# Altium PCB LoraWAN_Node.PcbDoc
Units mil, origin at the board's own origin, x right, y up, seen from the top; angles counter-clockwise.
Board outline 5635.59 x 3186.14 mil, 2 copper layers (Top Layer, Bottom Layer); 89 components, 58 nets, 292 pads, 492 vias.
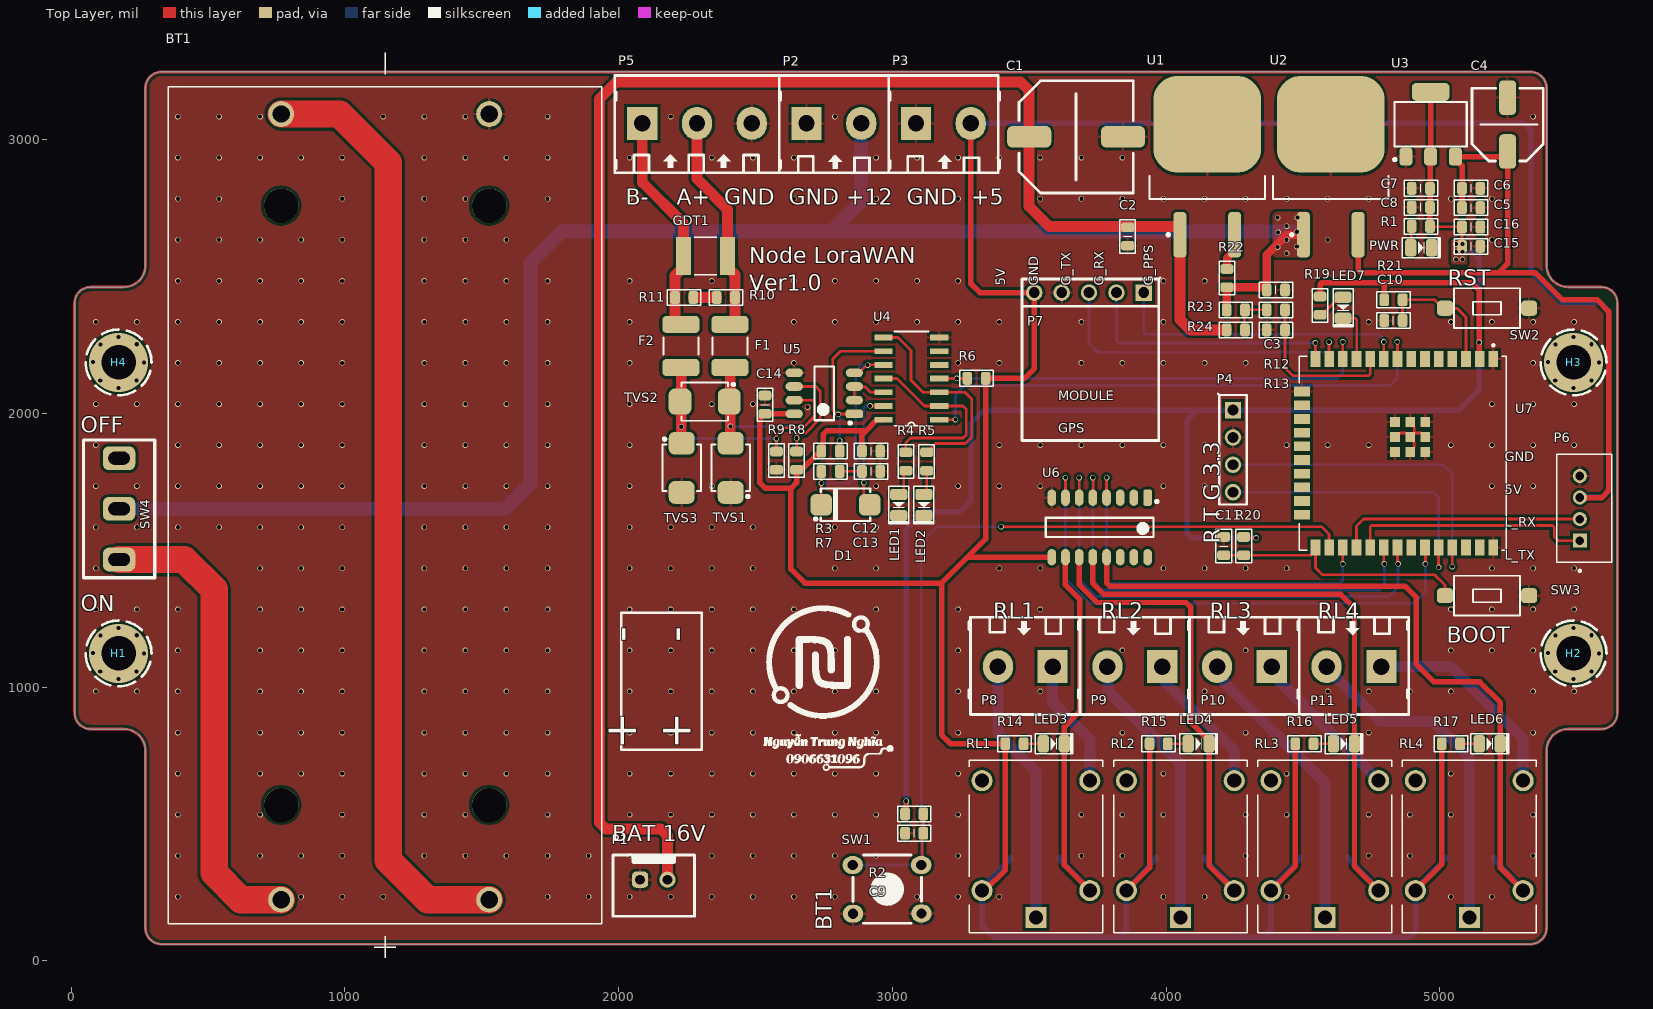
[diagram p0: Top Layer view]
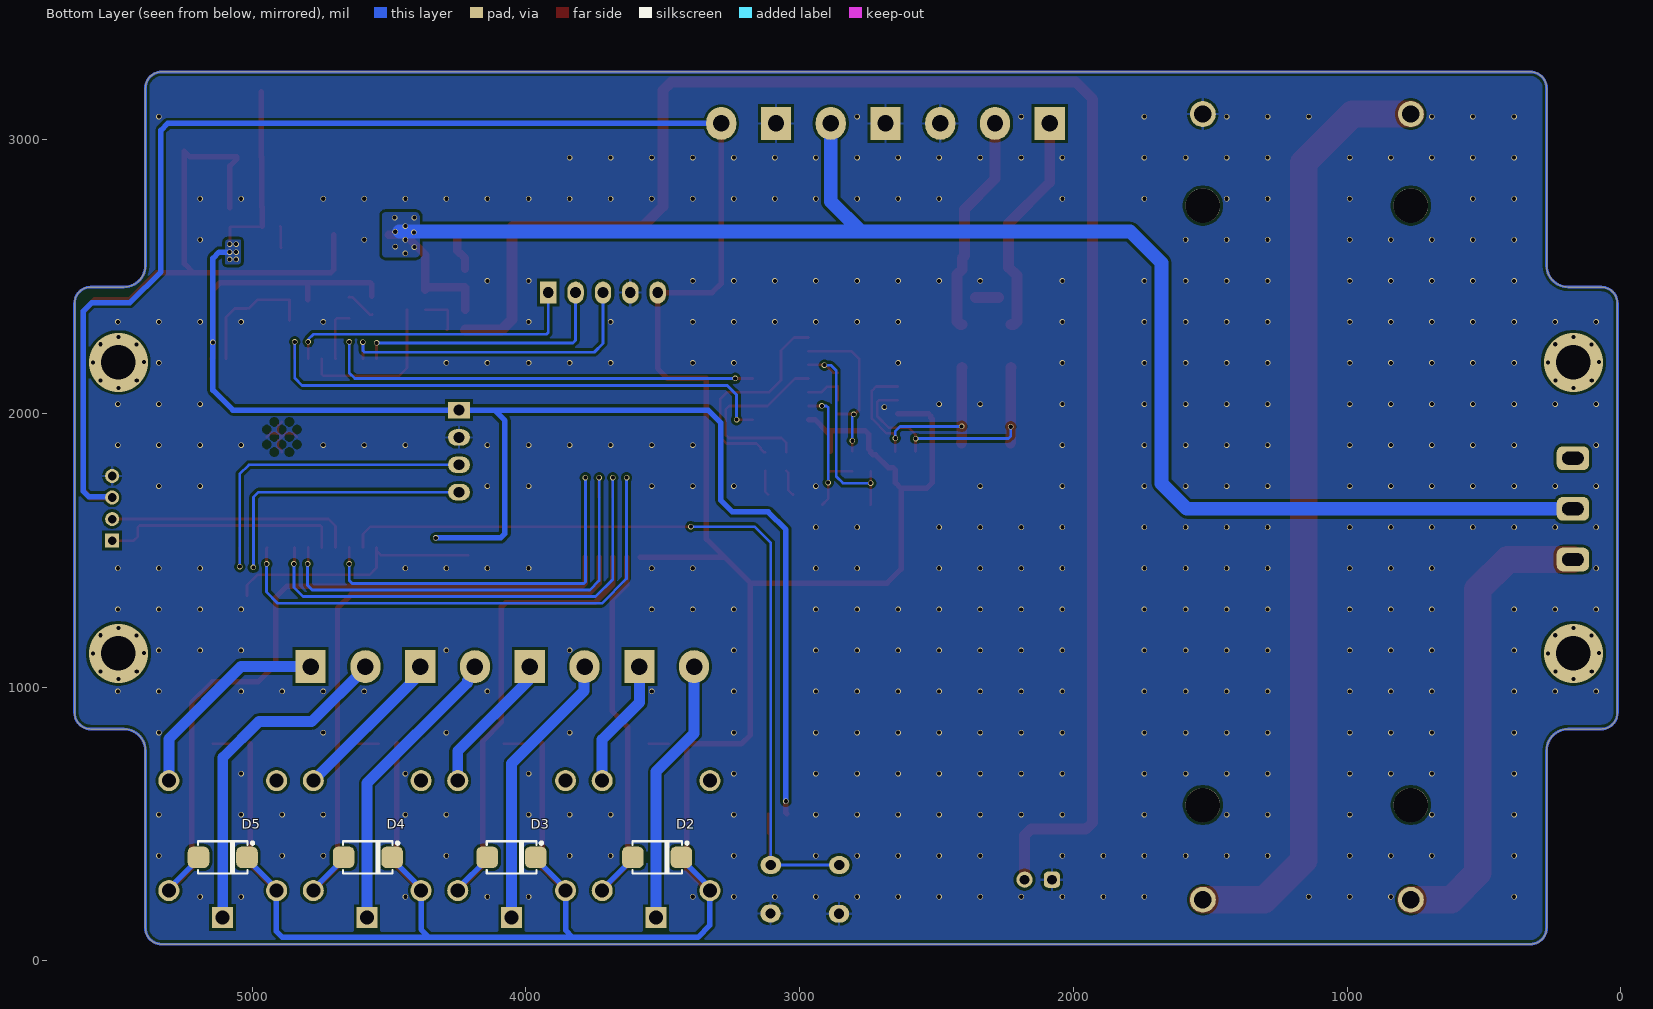
[diagram p1: Bottom Layer view, seen from below]
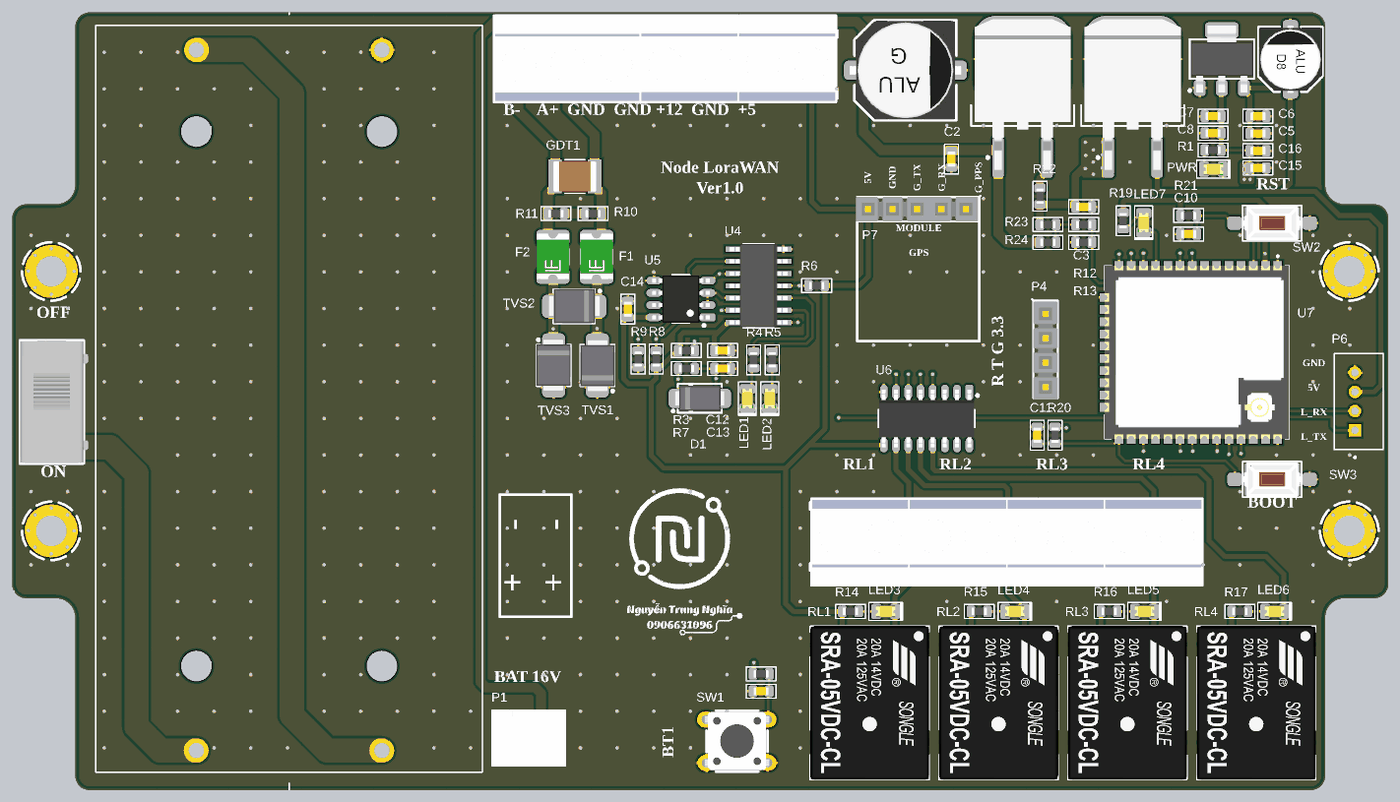
[diagram p2: 3D render of the assembled board from above, using the file's embedded part models]
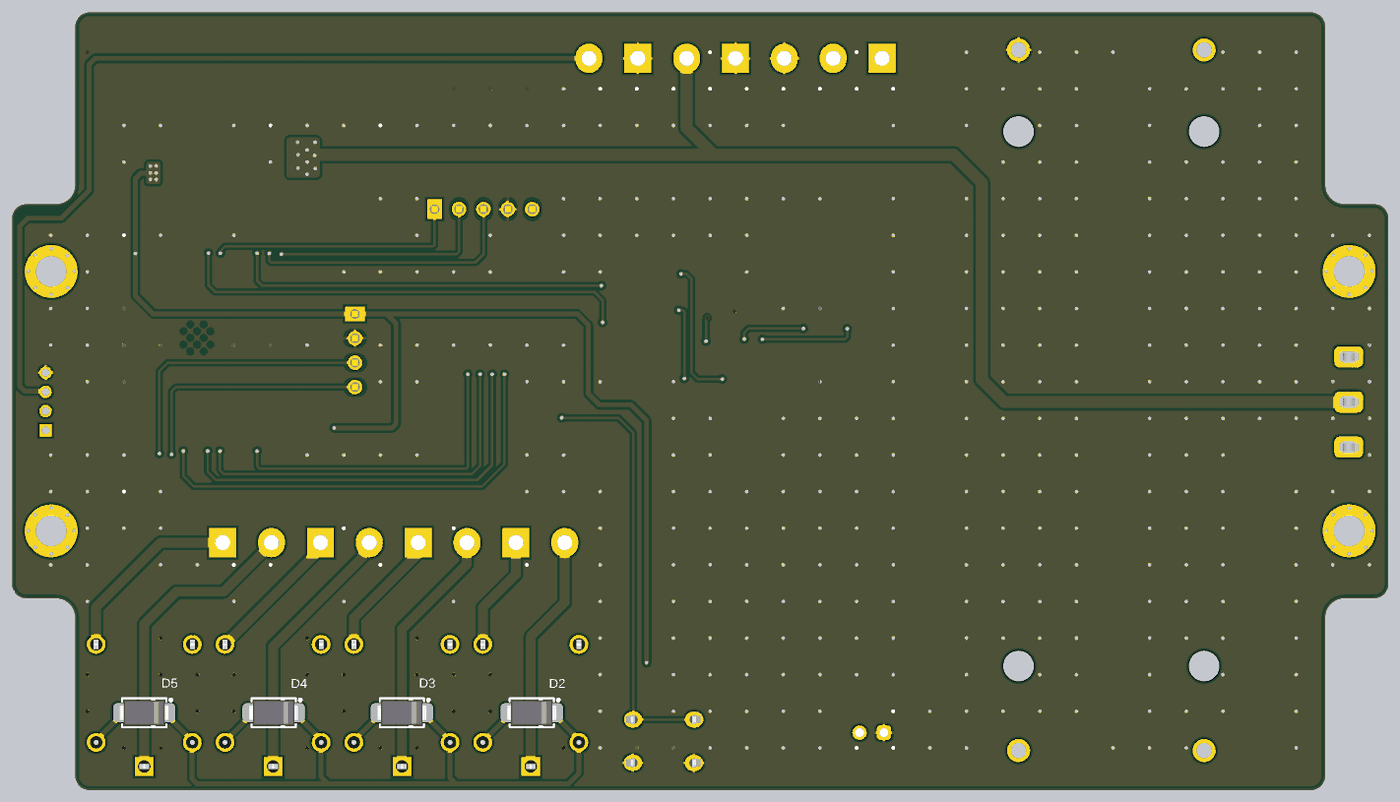
[diagram p3: 3D render of the assembled board from below, using the file's embedded part models]

## Layer stack, top to bottom
Top Solder: solder mask 0.4, Solder Resist, Dk 3.5
Top Layer: signal copper 1.4
Dielectric 1: dielectric 12.6, FR-4, Dk 4.8
Bottom Layer: signal copper 1.4
Bottom Solder: solder mask 0.4, Solder Resist, Dk 3.5

## Board outline
271.21,120.09 271.21,768.05 ccw(c192.47,768.05) 192.47,846.79 71.53,846.79 cw(c71.53,905.84) 12.47,905.84 12.47,2401.9 cw(c71.77,2402.14) 71.53,2461.44 192.47,2461.44 ccw(c192.47,2540.18) 271.21,2540.18 271.21,3188.12 cw(c330.27,3188.12) 330.27,3247.18 5330.27,3247.18 cw(c5330.27,3188.12) 5389.32,3188.12 5389.32,2540.18 ccw(c5468.07,2540.18) 5468.07,2461.44 5589.01,2461.44 cw(c5589.01,2402.38) 5648.07,2402.38 5648.06,905.84 cw(c5589.01,905.84) 5589.01,846.79 5468.06,846.79 ccw(c5468.06,768.05) 5389.32,768.05 5389.32,120.09 cw(c5330.27,120.09) 5330.27,61.04 330.27,61.04 cw(c330.27,120.09)

## Design rules (kind name [scope] priority, off if disabled: settings)
Clearance [All] p1: gap=10 ignorepadtopadclearanceinfootprint=FALSE except(0: Arc-Hole Track-Hole SMDPad-Hole THPad-Hole Via-Hole Fill-Hole Poly-Hole Region-Hole Text-Hole)
PolygonConnect [All] p1: connectstyle=Relief reliefconductorwidth=10 reliefentries=4 polygonreliefangle="90 Angle" airgapwidth=10
RoutingVias [All] p1: holewidth=15 width=20 viastyle="Through Hole" minholewidth=15 minwidth=20 maxholewidth=15 maxwidth=20
SolderMaskExpansion [All] p1: expansion=4 istentingtop=FALSE
Width W12V [InNet('+12')] p1: maxlimit=100 minlimit=30 preferedwidth=30
Width W5V [InNet('+5')] p2: maxlimit=100 minlimit=20 preferedwidth=20
Width [All] p3: maxlimit=100 minlimit=10 preferedwidth=40
30 further rules are at their usual default settings.

## Components (designator, comment, footprint, x,y, rotation, side; value= is the part's Value field where it differs from the comment)
BT1 "BK-18650-PC4" BAT_BK-18650-PC4 1146.92,1664.13 r90 top
C1 "25V/680uF" "C SMD ALU (G)" 3670.74,3009.99 r0 top
C2 "0.1uF" "C 0603 (1608)" 3859,2646 r270 top
C3 "0.1uF" "C 0603 (1608)" 4400.54,2451 r0 top
C4 "16V/220uF" "C SMD ALU (D8)" 5247,3055 r90 top
C5 "0.1uF" "C 0603 (1608)" 5114,2751.33 r0 top
C6 "0.1uF" "C 0603 (1608)" 5114,2822 r0 top
C7 "0.1uF" "C 0603 (1608)" 4930,2822 r180 top
C8 "0.1uF" "C 0603 (1608)" 4930,2752.5 r180 top
C9 "0.1uF" "C 0603 (1608)" 3079.54,466 r180 top
C10 "0.1uF" "C 0603 (1608)" 4830,2339 r180 top
C11 "0.1uF" "C 0603 (1608)" 4210,1515 r90 top
C12 "0.1uF" "C 0603 (1608)" 2922,1862 r180 top
C13 "33pF" "C 0603 (1608)" 2922,1788 r180 top
C14 "0.1uF" "C 0603 (1608)" 2534,2031.46 r90 top
C15 "10uF" "C 0603 (1608)" 5114,2610 r0 top
C16 "0.1uF" "C 0603 (1608)" 5114,2680.67 r0 top
D1 "Diode" "DO-214AC (SMA)" 2828.42,1666 r180 top
D2 "Diode" "DO-214AC (SMA)" 3520,378 r180 bottom
D3 "Diode" "DO-214AC (SMA)" 4052,378 r180 bottom
D4 "Diode" "DO-214AC (SMA)" 4577,378 r180 bottom
D5 "Diode" "DO-214AC (SMA)" 5107,378 r180 bottom
F1 "MS_MSMF" "Fuse 1812P050" 2406,2246 r90 top
F2 "MS_MSMF" "Fuse 1812P050" 2227,2246 r90 top
GDT1 "Gas Discharge Tube" CAPC4532X110N 2317,2575 r180 top
H1 "Header 1" M3 173.04,1123 r0 top
H2 "Header 1" M3 5488,1123 r0 top
H3 "Header 1" M3 5488,2185.99 r0 top
H4 "Header 1" M3 173.04,2185.99 r0 top
LED1 "Led" "Led SMD 0805" 3023,1665 r90 top
LED2 "Led" "Led SMD 0805" 3115,1665 r90 top
LED3 "Led" "Led SMD 0805" 3589.61,793 r180 top
LED4 "Led" "Led SMD 0805" 4118.39,793 r180 top
LED5 "Led" "Led SMD 0805" 4649.42,793 r180 top
LED6 "Led" "Led SMD 0805" 5182,793 r180 top
LED7 "Led" "Led SMD 0805" 4646,2385.61 r90 top
P1 "Header 2" XH2.54-2P 2078,296.45 r0 top
P2 "Header 2" "HDR Domino 2 - 5MM" 2686,3059 r0 top
P3 "Header 2" "HDR Domino 2 - 5MM" 3086,3059 r0 top
P4 "Header 4" "Header 4" 4244,2012 r270 top
P5 "Header 3" "HDR Domino 3 - 5MM" 2086,3059 r0 top
P6 "110990030" SEEED_110990030 5511,1653 r90 top
P7 "Header 5" "Header 5" 3918,2441 r180 top
P8 "Header 2" "HDR Domino 2 - 5MM" 3585,1075 r180 top
P9 "Header 2" "HDR Domino 2 - 5MM" 3985.33,1075 r180 top
P10 "Header 2" "HDR Domino 2 - 5MM" 4385.67,1075 r180 top
P11 "Header 2" "HDR Domino 2 - 5MM" 4786,1075 r180 top
PWR "Led" "Led SMD 0805" 4931.61,2605 r180 top
R1 "470" "R 0603 (1608)" 4930,2683 r0 top
R2 "10k" "R 0603 (1608)" 3079.54,537 r180 top
R3 "22k" "R 0603 (1608)" 2773.57,1788 r0 top
R4 "470" "R 0603 (1608)" 3049,1824 r90 top
R5 "470" "R 0603 (1608)" 3125,1824 r90 top
R6 "4k7" "R 0603 (1608)" 3307,2128 r0 top
R7 "4k7" "R 0603 (1608)" 2773.57,1862 r180 top
R8 "4k7" "R 0603 (1608)" 2650,1827 r270 top
R9 "4k7" "R 0603 (1608)" 2576,1827 r90 top
R10 "121" "R 0603 (1608)" 2391.54,2423 r180 top
R11 "0_Open" "R 0603 (1608)" 2239.07,2423 r180 top
R12 "20k" "R 0603 (1608)" 4400.54,2378 r180 top
R13 "10k" "R 0603 (1608)" 4400.54,2305 r0 top
R14 "470" "R 0603 (1608)" 3445.54,793 r180 top
R15 "470" "R 0603 (1608)" 3972.54,793 r180 top
R16 "470" "R 0603 (1608)" 4504.54,793 r180 top
R17 "470" "R 0603 (1608)" 5040,793 r180 top
R19 "470" "R 0603 (1608)" 4562,2393.54 r90 top
R20 "10k" "R 0603 (1608)" 4283,1515 r90 top
R21 "10k" "R 0603 (1608)" 4830,2415 r180 top
R22 "0_Open" "R 0603 (1608)" 4221.59,2494 r90 top
R23 "0_Close" "R 0603 (1608)" 4254.07,2378 r180 top
R24 "0_Open" "R 0603 (1608)" 4254.07,2305 r180 top
RL1 "SRA-05VDC-CL" RELAY_SRA-05VDC-CL 3524,418 r90 top
RL2 "SRA-05VDC-CL" RELAY_SRA-05VDC-CL 4051.67,418 r90 top
RL3 "SRA-05VDC-CL" RELAY_SRA-05VDC-CL 4579.33,418 r90 top
RL4 "SRA-05VDC-CL" RELAY_SRA-05VDC-CL 5107,418 r90 top
SW1 "Tact Switch" SW/4/DIP/SMALL 2981,262 r270 top
SW2 "Button" SW/2/SMD 5172,2384 r0 top
SW3 "Button" SW/2/SMD 5172,1334 r0 top
SW4 "SW SPDT" SW/3/SPDT/SS12D10 175,1651 r270 top
TVS1 "Diode TVS" "DO-214AA (SMB)" 2409,1801 r270 top
TVS2 "Diode TVS" "DO-214AA (SMB)" 2314,2043 r0 top
TVS3 "Diode TVS" "DO-214AA (SMB)" 2230,1801 r90 top
U1 "L7xxx" "TO-263 (D2PAK)" 4150,2898.52 r90 top
U2 "L7xxx" "TO-263 (D2PAK)" 4601,2898.52 r90 top
U3 "AMS1117" SOT-223 4966,3056 r90 top
U4 "74HC14D" SOIC127P600X175-14N 3069,2127 r180 top
U5 "SP485EN-L" SOIC-8 2751,2073 r180 top
U6 "ULN2003" SOIC-16 3757,1583.34 r270 top
U7 "ESP32-WROOM-32U" XCVR_ESP32-WROOM-32U 4863.9,1854.49 r270 top

## Footprints (in the part's own frame and the unit in brackets; to place one, negate y for a bottom-side part, rotate by r counter-clockwise, add the part's x,y. Pads: shape width x height; smd on the part's side, far side on the other; paste and mask are expansions set on the pad)
BAT_BK-18650-PC4 [mm]
  round 2.4 hole 1.6: 1+(-36.6,9.65) 1-(36.3,9.65) 2+(-36.6,-9.65) 2-(36.3,-9.65)
  round 3.2 hole 3.2 unplated: ""(-27.81,-9.65) ""(-27.81,9.65) ""(27.81,-9.65) ""(27.81,9.65)
  silkscreen extent -42,-20.1 42,20.1
"C 0603 (1608)" [mm] "Chip Capacitor, 2-Leads, Body 1.6x0.8mm, IPC Medium Density"
  rrect50% 0.9x1.2 smd: 1(-0.85,0) 2(0.85,0)
  silkscreen extent -1.55,-0.72 1.55,0.72, body extent -0.8,-0.43 0.8,0.43, height 0.81
"C SMD ALU (D8)" [mm] "SMD Aluminum Electrolytic Capacitor, size D8 (6.3 x 7.7 mm)"
  rrect50% 3.2x1.6 smd: 1(-2.5,0) 2(2.5,0)
  silkscreen extent -3.37,-3.31 3.37,3.31, body extent -3.5,-3.31 3.5,3.29, height 7.7
"C SMD ALU (G)" [mm] "SMD Aluminum Electrolytic Capacitor, size G (10.0 x 10.2 mm)"
  rrect50% 4.1x2 smd: 1(-4.35,0) 2(4.35,0)
  silkscreen extent -5.3,-5.2 5.3,5.2, body extent -5.8,-5.15 5.8,5.15, height 10.2
CAPC4532X110N [mm]
  rect 1.4x3.51 smd: 1(-2.057,0) 2(2.057,0)
  silkscreen extent -1.04,-1.75 1.04,1.75, body extent -2.25,-1.6 2.25,1.6, height 1.1
"DO-214AA (SMB)" [mm] "Molded Diode, 2-Leads, Body 7.9x5.8mm, IPC Low Density"
  rrect50% 2.1x2.4 smd: 1(2.286,0) 2(-2.286,0)
  silkscreen extent -2.16,-1.78 2.79,1.78, body extent -2.67,-1.77 2.73,1.83, height 2.3
"DO-214AC (SMA)" [mm] "Molded Diode, 2-Leads, Body 4.3x2.7mm, IPC Medium Density"
  rrect50% 2x2 smd: 1(2.25,0) 2(-2.25,0)
  silkscreen extent -2.3,-1.5 2.89,1.58, body extent -2.6,-1.3 2.6,1.3, height 2.4
"Fuse 1812P050" [mm] "Fuse 1812P050, 2-Leads, Body 4.5x3.2mm, IPC Medium Density"
  rrect50% 1.6x3.45 smd: 1(-2,0) 2(2,0)
  silkscreen extent -0.8,-1.63 0.8,1.63, body extent -2.33,-1.7 2.4,1.71, height 1.34
"HDR Domino 2 - 5MM" [mil] "Header 2, 2 pin, hight 400mil, Pin to Pin 200mil, Colour Green"
  rect 110x120 hole 60: 1(0,0)
  oval 110x120 hole 60: 2(200,0)
  silkscreen extent -100,-180 305,175, body extent -97,-174 297,180, height 598
"HDR Domino 3 - 5MM" [mil]
  rect 110x120 hole 60: 1(0,0)
  oval 110x120 hole 60: 2(200,0) 3(400,0)
  silkscreen extent -100,-180 505,175, body extent -95,-175 495,179, height 598
"Header 4" [mil]
  rect 60x60 / inner round 60 / far side rect 60x80 hole 39: 1(0,0)
  round 60 / inner round 60 / far side oval 60x80 hole 39: 2(100,0) 3(200,0) 4(300,0)
  silkscreen extent -60,-55 345,50, body extent -50,-50 350,50, height 350
"Header 5" [mil]
  rect 60x60 / inner round 60 / far side rect 60x80 hole 39.37: 1(0,0)
  round 60 / inner round 60 / far side oval 60x80 hole 39.37: 2(100,0) 3(200,0) 4(300,0) 5(400,0)
  silkscreen extent -60,-55 445,50, body extent -50,-50 450,50, height 350
"Led SMD 0805" [mm] "Led SMD 0805"
  rrect50% 1.05x1.6 smd: 1(-0.975,0) 2(0.975,0)
  silkscreen extent -1.75,-0.93 1.75,0.92, body extent -1.01,-0.63 1.01,0.62, height 1.1
M3 [mil]
  silkscreen extent -120,-120 120,120
"R 0603 (1608)" [mm] "Chip Resistor, 2-Leads, Body 1.6x0.8mm, IPC Medium Density"
  rrect50% 0.9x1.2 smd: 1(-0.85,0) 2(0.85,0)
  silkscreen extent -1.55,-0.72 1.55,0.72, body extent -0.8,-0.4 0.8,0.4, height 0.5
RELAY_SRA-05VDC-CL [mm]
  round 1.95 hole 1.3: COIL1(-4.1,5) COIL2(-4.1,-5) NC(6.1,5) NO(6.1,-5)
  rect 1.95x1.95 / inner round 1.95 / far side rect 1.95x1.95 hole 1.3: COM(-6.6,0)
  silkscreen extent -8,-6.2 8,6.2, body extent -8,-6.2 8,6.2, height 14.38
SEEED_110990030 [mm]
  rect 1.308x1.308 hole 0.8: 1(-3,0)
  round 1.308 hole 0.8: 2(-1,0) 3(1,0) 4(3,0)
  silkscreen extent -5.9,-2.95 5,2.15
SOIC127P600X175-14N [mil]
  rect 67x21 smd: 1(-102,150) 2(-102,100) 3(-102,50) 4(-102,0) 5(-102,-50) 6(-102,-100) 7(-102,-150) 8(102,-150) 9(102,-100) 10(102,-50) 11(102,0) 12(102,50) 13(102,100) 14(102,150)
  silkscreen extent -63,-172 63,172, body extent -118,-170 118,170, height 69
SOIC-8 [mm] "SOIC, 8-Leads, Body 5.0x4.0mm (max), Pitch 1.27mm, IPC Medium Density"
  rrect50% 1.6x0.8 smd: 1(-2.79,1.905)
  oval 1.6x0.8 smd: 2(-2.79,0.635) 3(-2.79,-0.635) 4(-2.79,-1.905) 5(2.79,-1.905) 6(2.79,-0.635) 7(2.79,0.635) 8(2.79,1.905)
  silkscreen extent -2.53,-2.5 0.9,2.88, body extent -3,-2.45 3,2.45, height 1.75
SOIC-16 [mm] "SOIC, 16-Leads, Body 10.0x4.0mm (max), Pitch 1.27mm, IPC Medium Density"
  rrect50% 1.52x0.8 smd: 1(-2.76,4.445)
  oval 1.52x0.8 smd: 2(-2.76,3.175) 3(-2.76,1.905) 4(-2.76,0.635) 5(-2.76,-0.635) 6(-2.76,-1.905) 7(-2.76,-3.175) 8(-2.76,-4.445) 9(2.76,-4.445) 10(2.76,-3.175) 11(2.76,-1.905) 12(2.76,-0.635) 13(2.76,0.635) 14(2.76,1.905) 15(2.76,3.175) 16(2.76,4.445)
  silkscreen extent -2.52,-5 0.9,5.42, body extent -3,-4.95 3,4.95, height 1.4
SOT-223 [mm] "SOT223, 4-Leads, Body 6.7x7.3mm (max), Pitch 2.30mm, IPC Medium Density"
  rrect50% 1.65x1.2 smd: 1(-3,2.3) 2(-3,0) 3(-3,-2.3)
  rrect50% 1.65x3.5 smd: 4(3,0)
  silkscreen extent -3.4,-3.35 2.05,3.45, body extent -3.5,-3.25 3.5,3.25, height 1.64
SW/2/SMD [mm]
  rrect50% 1.5x1.4 smd: 1(-3.9,0) 2(3.9,0)
  silkscreen extent -3.05,-1.85 3.05,1.85, body extent -3.05,-1.85 3.05,1.85, height 2.5
SW/3/SPDT/SS12D10 [mm]
  rrect50% 2.2x3 hole 1.2 slot 2 at 90 deg: 1(-4.7,0) 2(0,0) 3(4.7,0)
  silkscreen extent -6.4,-3.3 6.4,3.3, body extent -6.4,-3.3 6.35,3.8, height 12.5
SW/4/DIP/SMALL [mil]
  oval 65x75 hole 38: 1(-88,124) 2(89,125) 3(90,-125) 4(-88,-126)
  silkscreen extent -125,-125 125,125, body extent -119,-152 119,152, height 197
"TO-263 (D2PAK)" [mm]
  rrect50% 4.2x1.2 smd: 1(-6.25,2.54) 3(-6.25,-2.54)
  rrect50% 9x10 smd: 2(4,0)
  silkscreen extent -6.37,-5.35 -0.8,5.35, body extent -7.53,-5 8.14,5, height 4.78
XCVR_ESP32-WROOM-32U [mm]
  rect 1.5x0.9 smd: 1(-8.75,8.41) 2(-8.75,7.14) 3(-8.75,5.87) 4(-8.75,4.6) 5(-8.75,3.33) 6(-8.75,2.06) 7(-8.75,0.79) 8(-8.75,-0.48) 9(-8.75,-1.75) 10(-8.75,-3.02) 11(-8.75,-4.29) 12(-8.75,-5.56) 13(-8.75,-6.83) 14(-8.75,-8.1) 25(8.75,-8.1) 26(8.75,-6.83) 27(8.75,-5.56) 28(8.75,-4.29) 29(8.75,-3.02) 30(8.75,-1.75) 31(8.75,-0.48) 32(8.75,0.79) 33(8.75,2.06) 34(8.75,3.33) 35(8.75,4.6) 36(8.75,5.87) 37(8.75,7.14) 38(8.75,8.41)
  rect 0.9x1.5 smd: 15(-5.715,-9.35) 16(-4.445,-9.35) 17(-3.175,-9.35) 18(-1.905,-9.35) 19(-0.635,-9.35) 20(0.635,-9.35) 21(1.905,-9.35) 22(3.175,-9.35) 23(4.445,-9.35) 24(5.715,-9.35)
  rect 0.9x0.9 smd: 39_1(-2.9,2.09) 39_2(-1.5,2.09) 39_3(-0.1,2.09) 39_4(-2.9,0.69) 39_5(-1.5,0.69) 39_6(-0.1,0.69) 39_7(-2.9,-0.71) 39_8(-1.5,-0.71) 39_9(-0.1,-0.71)
  round 0 all layers, no hole mask+0: 40_1(-2.2,2.09) 40_2(-0.8,2.09) 40_3(-2.9,1.39) 40_4(-1.5,1.39) 40_5(-0.1,1.39) 40_6(-2.2,0.69) 40_7(-0.8,0.69) 40_8(-2.9,-0.01) 40_9(-1.5,-0.01) 40_10(-0.1,-0.01) 40_11(-2.2,-0.71) 40_12(-0.8,-0.71)
  silkscreen extent -10.1,-9.6 9,9.6, body extent -9,-9.6 9,9.6, height 3.35
XH2.54-2P [mm]
  rrect50% 1.5x1.5 hole 0.9: 1(0,0)
  round 1.5 hole 0.9: 2(2.54,0)
  silkscreen extent -2.5,-3.4 5.04,2.4, body extent -2.47,-3.4 5.03,2.4, height 7.25

## Part data
BT1: "Battery Holder (Open) 18650 2 Cell PC Pin", Package=None, Availability=Unavailable, MP=BK-18650-PC4, Price=None
C1 C4: library part Capacitor, "Capacitor pol"
C2 C3 C5 C6 C7 C8 C9 C10 C11 C12 C13 C14 C15 C16: library part "Capacitor NP", "Capacitor non-pol"
D1 D2 D3 D4 D5: "Default Diode", Code_JEDEC=DO-214-AB, LatestRevisionDate=17-Jul-2002, LatestRevisionNote="Re-released for DXP Platform.", PackageReference=SMC, PackageVersion=Sep-1996, Published=8-Jun-2000, Publisher="Altium Limited"
F1 F2: library part Fuse, "Fuse"
H1 H2 H3 H4: "Header, 1-Pin", LatestRevisionDate=17-Jul-2002, LatestRevisionNote="Re-released for DXP Platform.", Publisher="Altium Limited"
LED1 LED2 LED3 LED4 LED5 LED6 LED7 PWR: "Typical LED"
P1 P2 P3 P8 P9 P10 P11: "Header, 2-Pin", LatestRevisionDate=17-Jul-2002, LatestRevisionNote="Re-released for DXP Platform.", Publisher="Altium Limited"
P4: "Header, 4-Pin"
P5: "Header, 3-Pin"
P6: Package=None, Arrow_Electronics-Purchase-URL=https://snapeda.com/shop?store=Arrow+Electronics&id=583576, Availability=Good, Check_prices=https://www.snapeda.com/parts/110990030/Seeed%20Technology%20Co.,%20Ltd/view-part/583576/?ref=eda, MF="Seeed Technology", Mouser-Purchase-URL=https://snapeda.com/shop?store=Mouser&id=583576, MP=110990030, Price=None, SnapEDA_Link=https://www.snapeda.com/parts/110990030/Seeed%20Technology%20Co.,%20Ltd/view-part/583576/?ref=snap
P7: "Header, 5-Pin", LatestRevisionDate=17-Jul-2002, LatestRevisionNote="Re-released for DXP Platform.", Publisher="Altium Limited"
R1 R2 R3 R4 R5 R6 R7 R8 R9 R10 R11 R12 R13 R14 R15 R16 R17 R19 R20 R21 R22 R23 R24: library part Resistor, "Resistor", LatestRevisionDate=17-Jul-2002, LatestRevisionNote="Re-released for DXP Platform.", PackageReference=AXIAL-0.3, Published=8-Jun-2000, Publisher="Altium Limited"
RL1 RL2 RL3 RL4: Package=Package, Check_prices=https://www.snapeda.com/parts/SRA-05VDC-CL/Songle+Relay/view-part/?ref=eda, MF="Songle Relay", MP=SRA-05VDC-CL, SnapEDA_Link=https://www.snapeda.com/parts/SRA-05VDC-CL/Songle+Relay/view-part/?ref=snap
SW1: library part "SW SPST-4", "Tact switch 4 pin"
SW2 SW3: library part "SW SPST", "Tact switch 2 pin"
TVS1 TVS2 TVS3: library part "Diode TVS Bi-Dir", "Bi-directional TVS Diode", LatestRevisionDate=17-Jul-2002, LatestRevisionNote="Re-released for DXP Platform.", PackageReference=DIODE-0.7, Published=8-Jun-2000, Publisher="Altium Limited"
U1 U2: "LDO Fixed Voltage regulator"
U3: "1A LDO Voltage Regulator, ADJ or fixed 1.5/1.8/2.5/2.85/3.3/5V"
U4: "Inverter IC 6 Channel Schmitt Trigger 14-SOIC", Package="SO14-14 Nexperia USA Inc.", Availability="In Stock", Check_prices=https://www.snapeda.com/parts/74HC14D/Toshiba+Semiconductor+and+Storage/view-part/?ref=eda, MF=Toshiba, MP=74HC14D, Price=None, Purchase-URL=https://pricing.snapeda.com/search/part/74HC14D/?ref=eda, SnapEDA_Link=https://www.snapeda.com/parts/74HC14D/Toshiba+Semiconductor+and+Storage/view-part/?ref=snap
U5: "SP485 Series 5 Mbps 5 V Low Power Half Duplex RS-485 Transceiver - NSOIC-8", Package="SOIC-8 Exar", Availability="In Stock", Check_prices=https://www.snapeda.com/parts/SP485EN-L/MaxLinear%252C+Inc./view-part/?ref=eda, MF="MaxLinear, Inc.", MP=SP485EN-L, Price=None, Purchase-URL=https://pricing.snapeda.com/search/part/SP485EN-L/?ref=eda, SnapEDA_Link=https://www.snapeda.com/parts/SP485EN-L/MaxLinear%252C+Inc./view-part/?ref=snap
U6: "High-voltage, high-current Darlington transistor arrays"
U7: "Bluetooth, WiFi 802.11b/g/n, Bluetooth v4.2 +EDR, Class 1, 2 and 3 Transceiver Module 2.4GHz ~ 2.5GHz Antenna Not Included, U.FL Surface Mount", Package="NON STANDARD-39 Espressif", Check_prices=https://www.snapeda.com/parts/ESP32-WROOM-32U/Espressif+Systems/view-part/?ref=eda, MF="Espressif Systems", MP=ESP32-WROOM-32U, SnapEDA_Link=https://www.snapeda.com/parts/ESP32-WROOM-32U/Espressif+Systems/view-part/?ref=snap

## Via types
v1: diameter 20, hole 15, Top Layer to Bottom Layer, tented both sides, 488 vias
v2: diameter 216.54, hole 125.98, Top Layer to Bottom Layer, 4 vias

## Nets (pads, with @x,y where several pads share a name; then routed paths per layer and width w, separated by ;. In a path a pad name is that pad's centre, name@x,y a point inside that pad or via, vN(x,y) a via of type N, cw(c..) or ccw(c..) an arc to the next point about the centre after c; other vN are vias at no path point)
+3.3: C7.1 C8.1 C15.1 C16.1 P4.1 R1.2 R2.2 R19.2 R20.2 R21.2 U3.2 U3.4 U7.2 | length 6473
  Top Layer w10: R20.2 4286.46,1545 v1(4329,1545) ; R1.2 4964.63,2681.83 5079.37,2681.83 C16.1 C15.1
  Top Layer w20: R2.2 3050,540.93 v1(3050,583) ; R19.2 4562,2471.14 4567.86,2477 4788,2477 ; R21.2 4796.54,2468.46 4788,2477 ; R1.2 C8.1 4964.73,2753.77 4964.73,2936.62 U3.2 U3.4 ; U7.2 5143,2200.98 v1(5143,2259) 5143,2451 5117,2477 4788,2477
  Bottom Layer w20: v1(3050,583) 3050,1575 3115,1640 3245,1640 3288,1683 3288,1966 3334,2012 4115,2012 ; v1(4329,1545) 4092,1545 4076,1561 4076,1973 4115,2012 ; v1(5082,2589) 5120,2589 5143,2566 v1(5143,2259) 5143,2085 5070,2012 P4.1 4115,2012
  other v1: 5057.84,2562.6 5081.84,2562.6 5058,2589 5058,2618 5082,2618
+5: C4.1 C5.1 C6.1 C12.2 C14.1 D2.1 D3.1 D4.1 D5.1 P3.2 P6.3 P7.5 R6.2 R7.2 R8.2 R14.2 R15.2 R16.2 R17.2 RL1.COIL1 RL2.COIL1 RL3.COIL1 RL4.COIL1 U2.3 U3.3 U4.14 U5.8 U6.9 | length 16794.8
  Top Layer w20: U5.8 C14.1 2528.09,1998 2520.38,1990.28 2520.38,1984.38 2516,1980 2516,1746 2536,1726 2629,1726 ; C12.2 2888.54,1921.54 2903,1936 ; U4.14 2944,1977 2903,1936 ; P3.2 3286,2474 3319,2441 P7.5 3518,2164 3482,2128 R6.2 3340.46,1540.46 3274.68,1474.68 ; RL1.COIL1 3336.58,256.58 3412.07,332.07 R14.2 3212,793 3180,825 3180,1380 ; U6.9 3274.68,1474.68 ; RL2.COIL1 3939.07,340.84 R15.2 ; RL3.COIL1 4471.07,345.17 R16.2 ; U2.3 4701,2524.72 4712.72,2513 5213,2513 ; RL4.COIL1@4911,255.73 RL4.COIL1 5006.54,352.97 R17.2 ; C5.1 5080.54,2904.07 5056.55,2928.05 U3.3 5228.31,2937.89 C4.1 5247,2547 5213,2513 ; P6.3 5591.37,1692.37 5616.27,1717.27 5616.27,2372.73 5574,2415 5446.53,2415 5348.53,2513 5213,2513 ; 2629,1726 2629,1431 2680,1380 3180,1380 ; 2629,1726 2650,1747 R8.2 2657.72,1801.25 2675.25,1801.25 2722.38,1848.38 2732.39,1848.38 2740.11,1856.09 R7.2 2747.82,1869.72 2747.82,1924.28 2759.54,1936 2903,1936 ; 3180,1380 3274.68,1474.68
  Bottom Layer w20: P3.2 5308,3059 5333,3034 5333,2517 5446,2404 5585.28,2404 5616.27,2373.02 5616.27,1715.27 5597,1696 5514.63,1696 P6.3 ; D2.1 3431.42,372.76 3327.15,268.49 RL1.COIL1 3327.15,130.6 3371.72,86.04 3829,86.04 ; D3.1 3963.42,372.76 3854.82,264.16 RL2.COIL1 3854.82,111.85 3829,86.04 ; D4.1 4488.42,372.76 4382.48,266.82 RL3.COIL1 4382.48,114.52 4354,86.04 ; RL4.COIL1 4910.15,264.49 5018.42,372.76 D5.1 ; RL4.COIL1@4911,255.73 4911,108 4889.04,86.04 4354,86.04 ; 3829,86.04 4354,86.04
+12: C3.1 P2.2 R22.1 R23.2 SW4.2 U2.1 | length 6140
  Top Layer w30: R23.2 4221.1,2378.49 4221.1,2460.04 R22.1 4363.44,2460.54 C3.1@4367.07,2456.91 ; C3.1 C3.1@4367.07,2456.91 ; U2.1 4441.46,2652.46 4367.07,2578.07 C3.1@4367.07,2456.91
  Bottom Layer w50: SW4.2 1585,1651 1678,1744 1678,2550 1792,2664 2776,2664 ; P2.2 2886,2774 2776,2664 ; 4461,2664 2776,2664
  other v1: 4440,2584 4406.93,2607.28 4476.93,2609.28 4440,2634 4408.93,2661.28 4476.93,2663.28 4440,2684 4406.93,2715.28 4478.93,2715.28
+16: C1.1 C2.1 P1.2 R24.2 U1.1 | length 6208.4
  Top Layer w40: P1.2 2178,457.57 2154.57,481 1953.43,481 1930,504.43 1930,3149 1991,3210 3468.18,3210 3499.48,3178.7 C1.1 3499.48,2755.52 3572.66,2682.34 4046.38,2682.34 4050,2678.71 U1.1 4050,2343 4088,2305 R24.2
BAT_LEVEL: R12.1 R13.2 U7.10 | length 593.6
  Top Layer w10: R12.1 R13.2 4434,2166 4463,2137 4739.14,2137 4745,2142.86 U7.10
BATTERY: R12.2 R23.1 R24.1 | length 154.6
  Top Layer w10: R24.1 4285,2307.54 4285,2375.46 R23.1 R12.2
BT1: C9.1 R2.1 SW1.1 SW1.4 U7.26 | length 3191.5
  Top Layer w10: SW1.1 3109,354 3109,462 C9.1 R2.1 ; v1(3397.18,1586.18) 4567.82,1586.18 4595,1559 U7.26
  Bottom Layer w10: SW1.4 SW1.1 3105,1526 3165.18,1586.18 v1(3397.18,1586.18)
ESP_FLASH: C11.1 R20.1 SW3.1 U7.25 | length 954.2
  Top Layer w10: C11.1 R20.1 4528.35,1481.54 U7.25@4545,1498.19 ; U7.25 U7.25@4545,1498.19 ; SW3.1 5018.46,1372.54 4981,1410 4571,1410 4545,1436 U7.25@4545,1498.19
ESP_RST: C10.1 R21.1 SW2.1 U7.3 | length 486.1
  Top Layer w10: C10.1 R21.1 4980.74,2415 5011.74,2384 SW2.1 5019.44,2383.02 5062.98,2383.02 5095,2351 U7.3
ESP_RX0: P4.4 U7.34 | length 1088.5
  Top Layer w10: v1(4995,1437) U7.34
  Bottom Layer w10: P4.4 4977,1712 4995,1694 v1(4995,1437)
ESP_TX0: P4.3 U7.35 | length 1223.1
  Top Layer w10: v1(5045,1440) U7.35
  Bottom Layer w10: P4.3 5011,1812 5045,1778 v1(5045,1440)
GND: BT1.2- C1.2 C2.2 C3.2 C4.2 C5.2 C6.2 C7.2 C8.2 C9.2 C10.2 C11.2 C12.1 C13.1 C14.2 C15.2 C16.2 LED1.1 LED2.1 P1.1 P2.1 P3.1 P4.2 P5.3 P6.4 P7.4 PWR.1 R9.1 R13.1 SW1.2 SW1.3 SW2.2 SW3.2 TVS1.1 TVS3.2 U1.2 U2.2 U3.1 U4.7 U5.5 U6.8 U7.1 U7.15 U7.38 U7.39_1 U7.39_2 U7.39_3 U7.39_4 U7.39_5 U7.39_6 U7.39_7 U7.39_8 U7.39_9 | length 252.2
  Top Layer w10: U7.39_8 4848.66,1926.26 4855.01,1926.26 4857.29,1928.54 4876.06,1928.54 U7.39_5 ; U7.39_6 4891.06,1861.82 4906.06,1876.82 4906.06,1892.2 4903.78,1894.48 4903.78,1900.83 U7.39_5 ; U7.39_4 4903.78,1955.94 4903.78,1949.6 4906.06,1947.32 4906.06,1928.54 U7.39_5@4903.78,1926.26 ; U7.39_2 4931.18,1928.54 4912.41,1928.54 4910.13,1926.26 U7.39_5@4903.78,1926.26 ; U7.39_5 U7.39_5@4903.78,1926.26
  other v1: 390,234 840,234 990,234 1140,234 1740,234 1890,234 2040,234 2190,234 2340,234 2490,234 2640,234 2790,234 2940,234 3090,234 3240,234 3390,234 3990,234 4140,234 4440,234 5040,234 5190,234 390,384 690,384 840,384 990,384 1290,384 1440,384 1590,384 1740,384 1890,384 2040,384 2340,384 2490,384 2640,384 2790,384 2940,384 3240,384 3690,384 3840,384 4290,384 4740,384 4890,384 5340,384 390,534 690,534 990,534 1290,534 1440,534 1740,534 2040,534 2190,534 2340,534 2490,534 2640,534 2790,534 2940,534 3240,534 3690,534 3840,534 3990,534 4290,534 4440,534 4740,534 4890,534 5040,534 5340,534 390,684 690,684 840,684 990,684 1290,684 1440,684 1590,684 1740,684 2040,684 2190,684 2340,684 2490,684 2640,684 2790,684 2940,684 3240,684 3990,684 4440,684 5040,684 390,834 690,834 840,834 990,834 1290,834 1440,834 1590,834 1740,834 2040,834 2190,834 2340,834 2490,834 2640,834 2790,834 2940,834 3240,834 3840,834 4290,834 4740,834 5340,834 90,984 240,984 390,984 690,984 840,984 990,984 1290,984 1440,984 1590,984 1740,984 2040,984 2190,984 2340,984 2490,984 2640,984 2790,984 2940,984 3240,984 3540,984 4140,984 4590,984 4740,984 4890,984 5040,984 5340,984 5490,984 390,1134 690,1134 840,1134 990,1134 1290,1134 1440,1134 1590,1134 1740,1134 2040,1134 2190,1134 2340,1134 2490,1134 2640,1134 2790,1134 2940,1134 3240,1134 3840,1134 4290,1134 5040,1134 5190,1134 5340,1134 90,1284 240,1284 390,1284 690,1284 840,1284 990,1284 1290,1284 1440,1284 1590,1284 1740,1284 2040,1284 2190,1284 2340,1284 2490,1284 2640,1284 2790,1284 2940,1284 3240,1284 3390,1284 3540,1284 5040,1284 5190,1284 5340,1284 5490,1284 90,1434 690,1434 840,1434 990,1434 1290,1434 1440,1434 1590,1434 1740,1434 2040,1434 2190,1434 2340,1434 2490,1434 2790,1434 2940,1434 3390,1434 3540,1434 3990,1434 4140,1434 4290,1434 4440,1434 5190,1434 5340,1434 5490,1434 90,1584 240,1584 390,1584 540,1584 690,1584 840,1584 990,1584 1290,1584 1440,1584 1590,1584 1740,1584 2040,1584 2190,1584 2340,1584 2490,1584 2790,1584 2940,1584 90,1734 240,1734 390,1734 540,1734 690,1734 840,1734 990,1734 1290,1734 1440,1734 1590,1734 1740,1734 2040,1734 2340,1734 2940,1734 3240,1734 3390,1734 3540,1734 3990,1734 4140,1734 5190,1734 5340,1734 90,1884 390,1884 540,1884 690,1884 840,1884 990,1884 1290,1884 1440,1884 1590,1884 1740,1884 2040,1884 3390,1884 3540,1884 3690,1884 3840,1884 3990,1884 4140,1884 4440,1884 4590,1884 4740,1884 5040,1884 5190,1884 5340,1884 5490,1884 2690.06,2022.97 90,2034 240,2034 390,2034 540,2034 690,2034 840,2034 990,2034 1290,2034 1440,2034 1590,2034 1740,2034 2040,2034 2340,2034 2490,2034 5190,2034 5340,2034 5490,2034 390,2184 540,2184 690,2184 840,2184 990,2184 1290,2184 1440,2184 1590,2184 1740,2184 2040,2184 2640,2184 3240,2184 3390,2184 3690,2184 3840,2184 3990,2184 4140,2184 4290,2184 5340,2184 90,2334 240,2334 390,2334 540,2334 690,2334 840,2334 990,2334 1290,2334 1440,2334 1590,2334 1740,2334 2040,2334 2640,2334 2790,2334 2940,2334 3090,2334 3240,2334 3390,2334 3690,2334 3990,2334 4740,2334 5040,2334 5190,2334 5340,2334 5490,2334 390,2484 540,2484 690,2484 840,2484 990,2484 1290,2484 1440,2484 1590,2484 1740,2484 2040,2484 2340,2484 2490,2484 2640,2484 2790,2484 2940,2484 3090,2484 3240,2484 3390,2484 3990,2484 4140,2484 390,2634 540,2634 690,2634 840,2634 990,2634 1290,2634 1440,2634 1590,2634 4590,2634 5190,2634 390,2784 540,2784 990,2784 1290,2784 1440,2784 1740,2784 2040,2784 2490,2784 2640,2784 2790,2784 2940,2784 3090,2784 3240,2784 3390,2784 3540,2784 3690,2784 3840,2784 3990,2784 4140,2784 4290,2784 4440,2784 4590,2784 4740,2784 5040,2784 5190,2784 390,2934 540,2934 690,2934 840,2934 990,2934 1290,2934 1440,2934 1590,2934 1740,2934 2040,2934 2190,2934 2340,2934 2490,2934 2640,2934 2790,2934 2940,2934 3090,2934 3240,2934 3390,2934 3540,2934 3690,2934 3840,2934 390,3084 540,3084 690,3084 1140,3084 1290,3084 1440,3084 1740,3084 2190,3084 2790,3084 5340,3084
GPS_PPS: P7.1 U7.9 | length 1104.5
  Top Layer w10: U7.9 v1(4795,2261)
  Bottom Layer w10: P7.1 3918,2294.86 3923.86,2289 4776,2289 4793.09,2271.91 4793.09,2262.91 v1(4795,2261)
GPS_RX: P7.2 U7.14 | length 963.2
  Top Layer w10: U7.14 v1(4545,2257)
  Bottom Layer w10: P7.2 3818,2267 3828,2257 v1(4545,2257)
GPS_TX: P7.3 U7.13 | length 1170.8
  Top Layer w10: U7.13 v1(4595,2260)
  Bottom Layer w10: P7.3 3718,2255 3750,2223 4589.14,2223 4595,2228.86 v1(4595,2260)
LORA_RX: P6.2 U7.28 | length 904.6
  Top Layer w10: U7.28 4695,1588 4720.63,1613.63 P6.2
LORA_TX: P6.1 U7.29 | length 885.4
  Top Layer w10: U7.29 4745,1584.14 4750.86,1590 5411.14,1590 5417,1584.14 5417,1550 5432.11,1534.89 P6.1
NetBT1_1+: BT1.1+ SW4.3 | length 1713.7
  Top Layer w100: SW4.3 413.04,1465.96 522,1357 522,321 619.82,223.18 BT1.1+
NetBT1_1-: BT1.1- BT1.2+ | length 3441.3
  Top Layer w100: BT1.1- 980.74,3093.26 1158,2916 1158,368 1302.82,223.18 BT1.2+
NetC13_2: C13.2 D1.2 R3.2 U4.13 | length 563.4
  Top Layer w10: R3.2 C13.2 2895.43,1781.11 v1(2895.43,1747) 2895.43,1687.57 D1.2 ; v1(2918,2027) U4.13
  Bottom Layer w10: v1(2895.43,1747) 2895.43,2021.14 2901.28,2027 v1(2918,2027)
NetD1_1: D1.1 R3.1 U4.10 U5.4 | length 810.4
  Top Layer w10: D1.1 2740.11,1666.27 v1(2740.11,1745) R3.1 ; U5.4 2876.59,2148 v1@2905.59,2177 ; v1@2909,2177 U4.10
  Bottom Layer w10: v1(2740.11,1745) 2841,1745 2866,1770 2866,2156 2886,2176 v1(2909,2176)
NetLED1_2: LED1.2 R4.1 | length 99.5
  Top Layer w10: LED1.2 3025.74,1703.39 3041,1718.65 3041,1782.54 R4.1
NetLED2_2: LED2.2 R5.1 | length 91.3
  Top Layer w10: LED2.2 3125,1713.39 R5.1
NetLED3_2: LED3.2 R14.1 | length 72.2
  Top Layer w10: R14.1 LED3.2
NetLED4_2: LED4.2 R15.1 | length 74
  Top Layer w10: R15.1 LED4.2
NetLED5_2: LED5.2 R16.1 | length 73
  Top Layer w10: R16.1 LED5.2
NetLED6_2: LED6.2 R17.1 | length 70.1
  Top Layer w10: R17.1 LED6.2
NetLED7_1: LED7.1 U7.11 | length 195.2
  Top Layer w10: LED7.1 4690.14,2347.23 4696,2341.37 4696,2199.98 U7.11
NetLED7_2: LED7.2 R19.1 | length 114.7
  Top Layer w10: R19.1@4560.5,2361.57 R19.1 4569.57,2360.07 4633.5,2424 LED7.2 LED7.2@4644.5,2425.5
NetP8_1: P8.1 RL1.NO | length 473.1
  Bottom Layer w40: P8.1 3585,944 3720.85,808.15 RL1.NO
NetP8_2: P8.2 RL1.COM | length 974.4
  Bottom Layer w40: P8.2 3385,830 3524,691 RL1.COM
NetP9_1: P9.1 RL2.NO | length 525.9
  Bottom Layer w40: P9.1 3990.33,1070 3990.33,1024.67 4248.52,766.48 RL2.NO
NetP9_2: P9.2 RL2.COM | length 1027.2
  Bottom Layer w40: P9.2 3787.25,1073.09 3787.25,985.75 4051.67,721.33 RL2.COM
NetP10_1: P10.1 RL3.NO | length 578.6
  Bottom Layer w40: P10.1 4390.67,1070 4390.67,1043.67 RL3.NO
NetP10_2: P10.2 RL3.COM | length 1079.9
  Bottom Layer w40: P10.2 4185.67,1051.06 4213.65,1023.07 4213.65,1015.35 4579.33,649.67 RL3.COM
NetP11_1: P11.1 RL4.NO | length 780.1
  Bottom Layer w40: P11.1 5040,1075 5303.85,811.15 RL4.NO
NetP11_2: P11.2 RL4.COM | length 1245.7
  Bottom Layer w40: P11.2 4586,1070 4782,874 4975,874 5107,742 RL4.COM
NetPWR_2: PWR.2 R1.1 | length 79.4
  Top Layer w10: PWR.2 4894.88,2606.65 4894.88,2681.35 R1.1
NetR4_2: R4.2 U4.2 U4.11 | length 710.8
  Top Layer w10: U4.11 3017,2127 3117,2027 U4.2 3257.54,2027 3270,2014.54 3270,1921.82 3258.18,1910 3066,1910 3049,1893 R4.2
NetR5_2: R5.2 U4.3 U4.8 | length 808.1
  Top Layer w10: U4.8 3020,2277 3068,2229 3068,2121 3112,2077 U4.3 3264.54,2077 3290,2051.54 3290,1913.54 3266.46,1890 3157.54,1890 3141.24,1873.7 3141.24,1869.89 3128.82,1857.46 R5.2
NetR10_2: R10.2 R11.1 | length 85.5
  Top Layer w40: R11.1 R10.2
NetR22_2: R22.2 U1.3 | length 138
  Top Layer w30: R22.2 R22.2 4221.64,2567.21 4239.21,2584.78 4241.38,2584.78 4250,2593.4 U1.3
NetU4_12: U4.12 U5.2 U5.3 | length 164.9
  Top Layer w10: U5.2 U5.3 2861.81,2097.03 2899.1,2097.03 2919.13,2077 U4.12
RL1: U6.7 U7.33 | length 1975.1
  Top Layer w10: U6.7 v1(3632,1765) ; U7.33 4947,1508 v1(4947,1450)
  Bottom Layer w10: v1(3632,1765) 3632,1396 3722,1306 4906,1306 4947,1347 v1(4947,1450)
RL1_IN: D2.2 LED3.1 RL1.COIL2 U6.10 | length 1469.2
  Top Layer w20: U6.10 3632,1373 3684,1321 3684,911 3628,855 LED3.1 3628,349.43 RL1.COIL2
  Bottom Layer w20: D2.2 3608.58,373.43 3720.85,261.16 RL1.COIL2
RL2: U6.6 U7.31 | length 1795.6
  Top Layer w10: U6.6 v1@3682,1763 ; U7.31 4845,1450 v1@4847,1448
  Bottom Layer w10: v1(3682,1765) 3682,1394 3745,1331 4814,1331 4847,1364 v1(4847,1450)
RL2_IN: D3.2 LED4.1 RL2.COIL2 U6.11 | length 1809.3
  Top Layer w20: U6.11 3682,1375 3748,1309 4073,1309 4089,1293 4089,871.6 4156.77,803.83 LED4.1 4156.77,348.33 RL2.COIL2
  Bottom Layer w20: D3.2 4140.58,372.76 4248.52,264.82 RL2.COIL2
RL3: U6.5 U7.30 | length 1674.8
  Top Layer w10: U6.5 3733,1693 3733,1764 v1(3732,1765) ; U7.30 4795,1452 v1(4797,1450)
  Bottom Layer w10: v1(3732,1765) 3732,1389 3766,1355 4780,1355 4797,1372 v1(4797,1450)
RL3_IN: D4.2 LED5.1 RL3.COIL2 U6.12 | length 2324.5
  Top Layer w20: U6.12 3732,1379 3772,1339 4637,1339 4687.8,1288.2 LED5.1 4687.8,344.96 RL3.COIL2
  Bottom Layer w20: D4.2 4665.58,372.76 4776.18,262.16 RL3.COIL2
RL4: U6.4 U7.27 | length 1441.1
  Top Layer w10: U6.4 v1@3782,1761 ; v1(4645,1450) U7.27
  Bottom Layer w10: v1(3782,1765) 3782,1383.86 3787.86,1378 4634,1378 4645,1389 v1(4645,1450)
RL4_IN: D5.2 LED6.1 RL4.COIL2 U6.13 | length 2744.8
  Top Layer w20: U6.13 3782,1380.72 3793.72,1369 4873,1369 4913,1329 4913,1084 4978,1019 5145,1019 5220.39,943.61 LED6.1 5220.39,340.05 RL4.COIL2
  Bottom Layer w20: D5.2 5195.58,372.76 5303.85,264.49 RL4.COIL2
RS485_A: F1.2 GDT1.1 P5.2 R10.1 | length 804.1
  Top Layer w40: P5.2 2286,2857 2397.98,2745.02 GDT1.1 2405.54,2567.44 2405.54,2525.91 2425,2506.45 2425,2336.24 2413.5,2324.74 F1.2
RS485_B: F2.2 GDT1.2 P5.1 R11.2 | length 823.7
  Top Layer w40: P5.1 2086,2844 2236.02,2693.98 GDT1.2 2236.02,2533.46 2205.61,2503.06 R11.2 2205.61,2336.24 2217.1,2324.74 F2.2
RS_RX: U4.1 U7.8 | length 1976.7
  Top Layer w10: U4.1 v1(3230,1977) ; v1@4844,2254 4845,2253 U7.8
  Bottom Layer w10: v1(3230,1977) 3230,2068 3264,2102 4817,2102 4844,2129 v1(4844,2261)
RS_TX: R6.1 U4.4 U7.12 | length 1696.5
  Top Layer w10: U4.4 3171.5,2127.5 v1(3235,2127.5) 3273.04,2127.5 R6.1 ; U7.12 v1(4645,2261)
  Bottom Layer w10: v1(3235,2127.5) 4624.5,2127.5 4645,2148 v1(4645,2261)
SP_A: F1.1 R8.1 TVS1.2 TVS2.1 U5.6 | length 924.6
  Top Layer w10: U5.6 2720,2098 2736,2082 2736,1981 2682,1927 2659,1927 2650,1918 v1(2650,1909) R8.1
  Top Layer w40: F1.1 2407.5,2165.76 2407.5,1892.5 TVS1.2
  Bottom Layer w10: v1(2408,1952) 2633,1952 2650,1935 v1(2650,1909)
SP_B: F2.1 R9.2 TVS2.2 TVS3.1 U5.7 | length 1023.6
  Top Layer w10: R9.2 v1(2576,1908) 2576,1923 2600,1947 2673.72,1947 2716,1989.28 2716,2042.14 2710.14,2048 U5.7
  Top Layer w40: F2.1 2228.5,2165.76 v1(2228.5,1951) 2228.5,1892.5 TVS3.1
  Bottom Layer w10: v1(2228.5,1951) 2228,1950.5 2228,1917 2237,1908 v1(2576,1908)
SP_RO: R7.1 U4.9 U5.1 | length 598.2
  Top Layer w10: v1@2797,1998 2782,2013 2782,2198 2811,2227 U4.9 ; v1@2802,1998 U5.1 ; R7.1 v1(2807.04,1899.96)
  Bottom Layer w10: v1(2802,1996) 2807.04,1990.96 v1(2807.04,1899.96)
pads on no net: BT1. RL1.NC RL2.NC RL3.NC RL4.NC SW4.1 U4.5 U4.6 U6.1 U6.2 U6.3 U6.14 U6.15 U6.16 U7.4 U7.5 U7.6 U7.7 U7.16 U7.17 U7.18 U7.19 U7.20 U7.21 U7.22 U7.23 U7.24 U7.32 U7.36 U7.37 U7.40_1 U7.40_2 U7.40_3 U7.40_4 U7.40_5 U7.40_6 U7.40_7 U7.40_8 U7.40_9 U7.40_10 U7.40_11 U7.40_12
copper on no net:
  other v1: 173.04,1029.02 5488,1029.02 106.27,1056.32 238.27,1056.32 5421.23,1056.32 5553.23,1056.32 266.27,1123.32 5581.23,1123.32 79.27,1124.32 5394.23,1124.32 107.27,1188.32 5422.23,1188.32 239.27,1189.32 5554.23,1189.32 173.04,1216.32 5488,1216.32 173.04,2092.02 5488,2092.02 106.27,2119.31 238.27,2119.31 5421.23,2119.31 5553.23,2119.31 266.27,2186.31 5581.23,2186.31 79.27,2187.31 5394.23,2187.31 107.27,2251.31 5422.23,2251.31 239.27,2252.31 5554.23,2252.31 173.04,2279.31 5488,2279.31
  other v2: 173.04,1123 5488,1123 173.04,2185.99 5488,2185.99

## Polygon pours and split planes (outlines as drawn)
GND on Bottom Layer "NONET_L-01_P-001" (solid, remove dead copper, pour order 6): -433,3527 -251,3345 5884,3345 5884,172 5463,-249 5365,-151 -110,-151
+3.3 on Bottom Layer "NONET_L-01_P-001" (solid, pour order 4): 5089,2634.5 cw(c5089,2625.5) 5098,2625.5 5098,2550.5 cw(c5092,2550.5) 5092,2544.5 5050,2544.5 cw(c5050,2553.5) 5041,2553.5 5041,2628.5 cw(c5047,2628.5) 5047,2634.5
+12 on Bottom Layer "NONET_L-01_P-001" (solid, pour order 0): 4388,2585 ccw(c4403,2585) 4403,2570 4513,2570 ccw(c4513,2581) 4524,2581 4524,2722.99 ccw(c4511.51,2722.51) 4511,2735 4502,2735 4404,2735 ccw(c4404,2719) 4388,2719
GND on Top Layer "NONET_L-01_P-001" (solid, remove dead copper, pour order 5): -424,3644 -147,3367 5835,3367 5835,110 5622,-103 5579,-60 -136,-60
+3.3 on Top Layer "NONET_L-01_P-001" (solid, pour order 3): 5089,2634 cw(c5089,2625) 5098,2625 5098,2550 cw(c5092,2550) 5092,2544 5050,2544 cw(c5050,2553) 5041,2553 5041,2628 cw(c5047,2628) 5047,2634
+12 on Top Layer "NONET_L-01_P-001" (solid, pour order 1): 4388.61,2585.61 ccw(c4403.61,2585.61) 4403.61,2570.61 4513.61,2570.61 ccw(c4513.61,2581.61) 4524.61,2581.61 4524.61,2723.6 ccw(c4512.11,2723.11) 4511.61,2735.61 4502.61,2735.61 4404.61,2735.61 ccw(c4404.61,2719.61) 4388.61,2719.61

## Other copper
Multi-Layer:
  the board outline again, w10

## Silkscreen, mask and mechanical layers (free items; w line width, h text height)
Top Overlay:
  drawing of 42 lines, arcs and shapes, not listed
  text "B-    A+  GND  GND +12  GND  +5" at 2026,2742.67 h100
  text "5V /  / GND /  / G_TX /  / G_RX  /  /  / G_PPS" at 3964.51,2465.26 h60 r90
  text "RST" at 5028.51,2445.14 h100
  text "Node LoraWAN / Ver1.0" at 2477.18,2428.13 h100
  text "MODULE  /  / GPS" at 3605.01,1915.49 h60
  text "OFF" at 34.4,1908.37 h100
  text "R T G 3.3" at 4215.64,1523.03 h100 r90
  text "GND  /  / 5V /  / L_RX /  / L_TX" at 5237.26,1452.3 h60
  text "ON" at 34.4,1257.37 h100
  text "RL1" at 3369.01,1229.17 h100
  text "RL2" at 3763.19,1229.17 h100
  text "RL3" at 4158.24,1229.17 h100
  text "RL4" at 4553.67,1229.17 h100
  text "BOOT" at 5024.51,1141.14 h100
  text "+     - / +     -" at 2302.34,773.38 h200 r90
  text "BAT 16V" at 1976.51,416.37 h100
  text "BT1" at 2798.86,111.51 h100 r90